# KiCad board we816.kicad_pcb (continued)
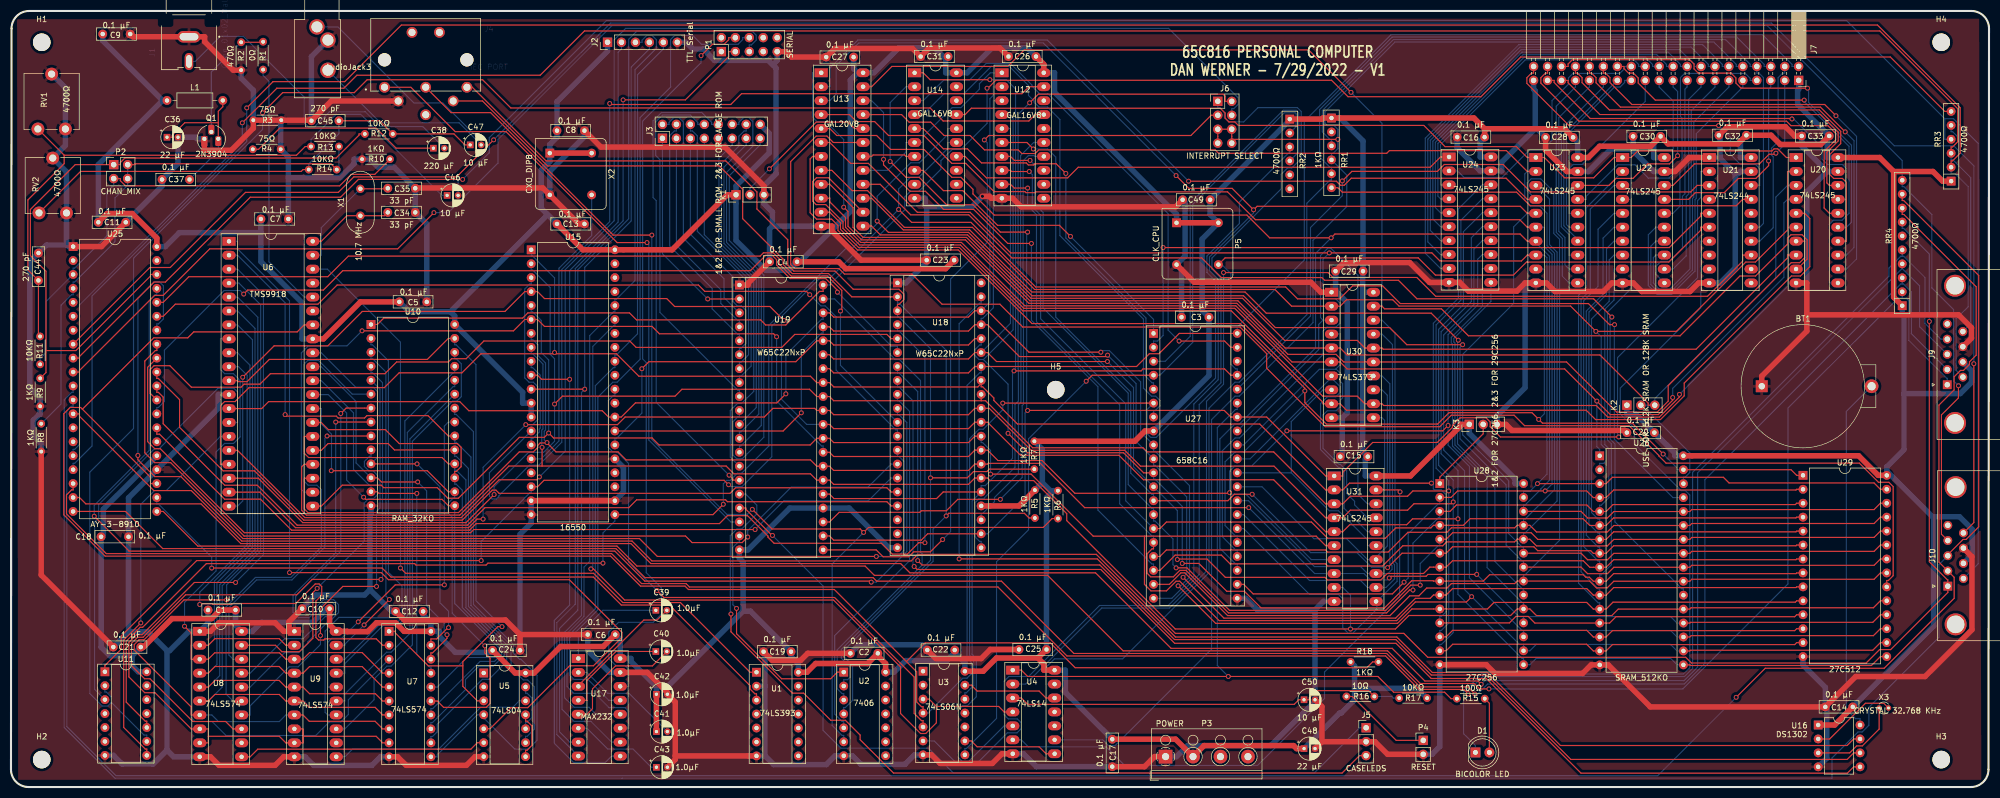
[diagram p0: board, top side]
## Routing (per net, layer and track width the routed paths; a pad name or vN(x,y) marks a point on that pad's centre or on a via; arc(x,y) is an arc through that point) (continued)
A23: length 233.8
  Component w0.203: U30.19 249.59,87.61 250.06,87.13 260.41,87.13 265.33,82.21 303.86,82.21 314.75,93.11 317.59,93.11 323.41,98.93 323.41,99.98 324.05,100.62 326.06,100.62 326.99,99.7 326.99,96.19 325.18,94.38 U20.9 ; v1(243.95,126.58) 236.22,134.31 184.48,134.31 181.46,131.3 160.37,131.3 156.68,127.6 U13.23
  Copper w0.203: U30.19 249.59,87.61 249.59,120.94 v1(243.95,126.58)
ABORT: length 69.2
  Copper w0.203: U27.3 210.12,77.57 214.68,82.12 214.68,106.37 231.62,123.31 233.96,123.31 234.43,122.84 234.43,115.71 RR2.4
AD0: length 93.5
  Copper w0.203: U31.18 246.95,51.6 245.22,53.33 245.22,93.24 240.26,98.2 239.75,98.2 238.4,96.85 238.4,85.53 238.85,85.07 ; 238.85,85.07 238.07,84.29 238.07,79.7 U27.33 ; 238.85,85.07 U30.3
AD1: length 67
  Copper w0.203: U27.32 224.4,62.33 238.18,76.11 241.14,76.11 241.21,76.19 ; 241.21,76.19 241.97,75.43 241.97,73.94 242.42,73.49 242.42,70.91 241.97,70.45 241.97,69.29 241.24,68.56 239.64,68.56 238.85,67.78 238.85,61.7 241.74,58.81 241.99,58.81 243.16,57.64 243.16,53.51 244.61,52.06 244.61,51.41 246.95,49.06 U31.17 ; 241.21,76.19 241.97,76.94 241.97,82.53 U30.4
AD2: length 59.9
  Copper w0.203: U27.31 225.57,59.79 240.29,74.51 240.41,74.51 ; U31.16 246.95,46.52 242.7,50.78 242.7,57.45 241.96,58.19 241.71,58.19 238.4,61.5 238.4,69.86 239.64,71.1 241.19,71.1 241.97,71.88 241.97,72.96 240.41,74.51 ; 240.41,74.51 U30.7
AD3: length 50.5
  Copper w0.203: U31.15 246.95,43.98 246.95,45.05 241.67,50.33 240,50.33 233.07,57.26 ; 233.07,57.26 233.07,57.25 U27.30 ; 233.07,57.26 233.07,66.59 238.85,72.37 U30.8
AD4: length 64.7
  Copper w0.203: 248.1,41.44 250.56,43.91 250.56,71.39 249.59,72.37 U30.13 ; 248.1,41.44 U31.14 ; 248.1,41.44 246.95,41.44 243.14,45.25 237.2,45.25 227.74,54.71 U27.29
AD5: length 71.6
  Copper w0.203: U30.14 249.59,74.91 251.02,73.48 251.02,40.7 251.42,40.31 251.42,39.64 250.67,38.9 U31.13 246.95,38.9 245.68,40.17 237.28,40.17 225.28,52.17 U27.28
AD6: length 81.9
  Copper w0.203: U27.27 224.4,49.63 236.4,37.63 245.68,37.63 246.95,36.36 U31.12 250.32,36.36 251.87,37.91 251.87,40.5 251.5,40.87 251.5,80.62 249.59,82.53 U30.17
AD7: length 95.3
  Copper w0.203: U27.26 224.4,47.09 236.4,35.09 241.67,35.09 242.45,34.31 242.45,29.01 243.48,27.98 244.22,27.98 248.68,32.44 248.68,33.82 ; 248.68,33.82 252.33,37.48 252.33,40.69 251.96,41.06 251.96,82.7 249.59,85.07 U30.18 ; 248.68,33.82 U31.11
B_A0: length 36.7
  Component w0.203: v1(321.3,115.48) 321.12,115.3 320.07,115.3 318.31,113.54 306.49,113.54 302.56,109.62 U22.18
  Copper w0.203: J7.3 322.91,117.09 v1(321.3,115.48)
B_A1: length 37.2
  Component w0.203: U22.17 305.41,107.08 306.62,108.3 311.89,108.3 314.48,110.89 317.65,110.89 319.98,113.22 v1(319.98,114.07)
  Copper w0.203: J7.5 320.37,127.54 319.98,127.15 v1(319.98,114.07)
B_A2: length 42
  Copper w0.203: U22.16 302.56,104.54 303.83,105.81 303.83,112.68 304.21,113.06 304.21,121.89 303.92,122.18 303.92,129.27 304.68,130.02 315.73,130.02 316.62,129.13 316.62,128.75 J7.7
B_A3: length 62
  Copper w0.203: U22.15 299.45,102 298.08,100.63 298.08,91.36 299.69,89.75 302.31,89.75 306.58,94.02 306.58,107.03 306.8,107.26 306.8,119.06 315.29,127.54 J7.9
B_A4: length 56.9
  Copper w0.203: J7.11 312.75,127.54 306.35,121.14 306.35,107.45 306.12,107.22 306.12,94.2 302.12,90.2 299.88,90.2 298.54,91.55 298.54,98.54 299.45,99.46 U22.14
B_A5: length 51.8
  Copper w0.203: J7.13 310.21,127.54 305.89,123.22 305.89,107.64 305.66,107.41 305.66,94.4 301.94,90.68 300.13,90.68 298.99,91.82 298.99,96.46 299.45,96.92 U22.13
B_A6: length 38
  Copper w0.203: U22.12 302.56,94.38 304.97,96.79 304.97,107.6 305.43,108.05 305.43,125.31 307.67,127.54 J7.15
B_A7: length 40.8
  Copper w0.203: U22.11 299.45,93.4 299.45,94.86 300.36,95.76 301.93,95.76 304.29,98.12 304.29,107.64 304.75,108.09 304.75,127.16 305.13,127.54 J7.17
B_A8: length 34.5
  Component w0.203: v1(303.41,115.02) 301.93,113.54 297.94,113.54 295.29,110.89 292.18,110.89 290.91,109.62 U23.18
  Copper w0.203: v1(303.41,115.02) 303.41,126.72 302.59,127.54 J7.19
B_A9: length 39.7
  Copper w0.203: U23.17 286.77,107.08 286.77,107.64 292.51,113.38 295.64,113.38 298.08,110.95 301.83,110.95 302.6,111.72 302.6,124.99 300.05,127.54 J7.21
B_A10: length 32.5
  Copper w0.203: J7.23 297.51,124.9 286.04,113.43 284.4,113.43 283.66,112.69 283.66,104.54 U23.16
B_A11: length 34.7
  Copper w0.203: J7.25 293.76,128.75 293.76,128.37 292.94,127.54 291.9,127.54 283.17,118.81 283.17,102.49 283.66,102 U23.15
B_A12: length 34.4
  Copper w0.203: U23.14 285.21,99.75 282.69,102.27 282.69,119.01 J7.27
B_A13: length 37.1
  Copper w0.203: J7.29 289.89,127.54 282.23,119.89 282.23,102.08 283.66,100.65 283.66,96.92 U23.13
B_A14: length 39
  Copper w0.203: J7.31 287.35,127.54 281.78,121.97 281.78,101.24 282.9,100.12 282.9,95.14 283.66,94.38 U23.12
B_A15: length 40.9
  Copper w0.203: J7.33 284.81,127.54 281.32,124.05 281.32,101.05 282.42,99.95 282.42,93.08 283.66,91.84 U23.11
B_A16: length 66.8
  Component w0.203: U20.18 331.04,109.62 330.58,110.08 330.58,115.66 332.64,117.72 332.64,119.28 329.39,122.53 289.26,122.53 283.48,128.31 283.48,128.75 J7.35
B_A17: length 69.7
  Component w0.203: v1(324.22,121.72) 324.14,121.81 287.5,121.81 280.94,128.37 280.94,128.75 J7.37
  Copper w0.203: v1(324.22,121.72) 324.54,121.72 329.7,116.56 329.7,114.42 330.69,113.43 333.39,113.43 334.15,112.67 334.15,107.08 U20.17
B_A18: length 78.6
  Component w0.203: U20.16 331.04,104.54 330.08,105.5 330.08,115.81 332.19,117.91 332.19,119.09 330.77,120.5 324.05,120.5 323.23,121.32 285.45,121.32 278.51,128.26 278.51,129.24 279.35,130.08 279.73,130.08 J7.38
B_A19: length 79.4
  Component w0.203: J7.36 283.48,131.29 283.48,131.75 284.26,132.53 305.6,132.53 306.4,131.73 306.4,130.84 307.16,130.08 313.13,130.08 314.02,129.2 314.02,128.27 314.95,127.33 v1(327.06,127.33)
  Copper w0.203: U20.15 334.15,102 335.07,102.91 335.07,116.93 327.25,124.74 327.25,127.14 v1(327.06,127.33)
B_A20: length 79.1
  Component w0.203: U20.14 334.15,99.46 334.15,110.16 333.42,110.89 331.82,110.89 331.04,111.67 331.04,115.18 333.1,117.24 333.1,119.47 329.2,123.37 290.99,123.37 286.02,128.34 286.02,129.26 285.19,130.08 284.81,130.08 J7.34
B_A21: length 78
  Component w0.203: v1(333.92,119.37) 329.41,123.88 293,123.88 288.56,128.33 288.56,129.26 287.73,130.08 287.35,130.08 J7.32
  Copper w0.203: U20.13 334.15,96.92 335.52,98.29 335.52,117.77 v1(333.92,119.37)
B_A22: length 79.1
  Component w0.203: v1(332.24,122.31) 330.18,124.36 295.09,124.36 291.1,128.35 291.1,129.26 290.27,130.08 289.89,130.08 J7.30
  Copper w0.203: U20.12 334.15,94.38 335.99,96.21 335.99,118.56 v1(332.24,122.31)
B_A23: length 78
  Component w0.203: v1(326.45,125.16) 299.34,125.16 296.24,128.26 296.24,129.19 295.34,130.08 294.46,130.08 293.64,130.91 293.64,131.29 J7.28
  Copper w0.203: v1(326.45,125.16) 326.45,124.9 334.61,116.74 334.61,104.52 333.36,103.27 331.76,103.27 331.04,102.54 331.04,91.84 U20.11
B_BUSRQ: length 78.2
  Component w0.203: U21.17 315.25,107.08 314.07,105.91 276.56,105.91 274.09,108.38 242.37,108.38 241.56,109.2 RR1.6
B_CLK_CPU: length 35.8
  Copper w0.203: U21.14 318.36,99.46 320.82,101.92 320.82,114.83 320.5,115.15 320.5,116.38 321.7,117.59 321.7,129.26 322.53,130.08 322.91,130.08 J7.4
B_D0: length 47.2
  Copper w0.203: J7.26 293.76,131.29 293.76,130.92 292.87,130.02 284.35,130.02 283.54,129.21 283.54,128.07 280.54,125.07 280.54,117.85 278.88,116.18 276.56,116.18 271.46,111.08 264.54,111.08 263.36,112.26 U24.2
B_D1: length 53.3
  Copper w0.203: U24.3 260.24,109.72 260.24,117.07 275.69,132.51 295.46,132.51 296.3,131.66 296.3,131.29 J7.24
B_D2: length 59.5
  Copper w0.203: J7.22 298.84,131.29 298.84,131.66 297.54,132.97 275.47,132.97 259.77,117.27 259.77,107.66 260.24,107.18 U24.4
B_D3: length 65.8
  Copper w0.203: J7.20 301.38,131.29 301.38,131.66 299.61,133.44 275.28,133.44 259.31,117.46 259.31,105.58 260.24,104.64 U24.5
B_D4: length 72
  Copper w0.203: U24.6 260.24,102.1 258.85,103.5 258.85,117.65 275.09,133.9 301.69,133.9 303.92,131.66 303.92,131.29 J7.18
B_D5: length 78.2
  Copper w0.203: U24.7 260.24,99.56 258.39,101.41 258.39,117.84 274.9,134.35 303.78,134.35 306.46,131.66 306.46,131.29 J7.16
B_D6: length 84.4
  Copper w0.203: J7.14 309,131.29 309,131.66 305.86,134.81 274.71,134.81 257.93,118.03 257.93,99.33 260.24,97.02 U24.8
B_D7: length 90.6
  Copper w0.203: U24.9 260.24,94.48 257.48,97.25 257.48,118.22 274.52,135.27 307.94,135.27 311.54,131.67 311.54,131.29 J7.12
B_INT: length 258.7
  Component w0.203: v1(241.56,118) 222.35,118 222.24,117.89 ; 222.24,117.89 J6.6 J6.5 J6.7 ; 222.24,117.89 J6.8
  Copper w0.203: U4.9 198.75,8.6 199.79,7.55 201,7.55 218.56,25.11 218.56,66.94 222.84,71.22 223.63,71.22 237.03,84.63 237.03,99.62 243.17,105.76 243.17,111.51 RR1.4 240.4,115.44 240.67,115.44 241.56,116.32 v1(241.56,118) 241.56,119.84 240.88,120.52 239.64,120.52 239.21,120.94 239.21,123.03 251.91,135.73 310.02,135.73 314.08,131.67 314.08,131.29 J7.10
B_NMI: length 226.7
  Copper w0.203: U4.13 188.43,18.76 188.43,21.83 189.96,23.36 202.38,23.36 218.1,39.07 218.1,69.02 222.84,73.76 223.61,73.76 235.9,86.05 235.9,106.36 240.13,110.58 240.4,110.58 RR1.5 240.4,112.9 240.13,112.9 238.24,114.79 238.24,123.44 251.44,136.64 314.19,136.64 319.16,131.67 319.16,131.29 J7.6
B_RW: length 59.1
  Component w0.203: v1(310.87,120.52) 283.66,120.52 275.97,128.21 275.97,129.24 276.81,130.08 277.19,130.08 J7.40
  Copper w0.203: U21.18 318.36,109.62 318.36,112.68 317.61,113.43 314.84,113.43 313.01,115.26 313.01,118.38 v1(310.87,120.52)
B_WAIT: length 125.8
  Copper w0.203: RR1.3 240.4,117.98 240.13,117.98 238.74,119.37 238.74,123.26 251.66,136.18 312.12,136.18 316.62,131.68 316.62,131.29 J7.8 317.83,130.08 318.2,130.08 319.04,129.25 319.04,102.68 318.36,102 U21.15
BUS: length 9.6
  Component w0.203: U14.7 162.94,114.9 162.68,115.16 156.94,115.16 156.68,114.9 U13.18
BUSAK: length 162
  Component w0.203: U20.1 323.22,114.7 321.63,116.29 320.97,116.29 320.57,115.89 296.13,115.89 294.94,114.7 U22.1 291.83,114.7 288.13,111 282.85,111 279.15,114.7 U23.1 276.04,114.7 274.06,116.68 261.07,116.68 257.21,120.54 223.45,120.54 222.8,121.19 221.71,121.19 221.03,121.87 221.03,122.81 220.16,123.68 174.84,123.68 173.68,122.52 U14.17
BUSRQ: length 116.5
  Component w0.203: U21.3 306.98,109.62 305.79,108.43 276.64,108.43 271.64,113.42 260.93,113.42 259.68,112.18 244.11,112.18 v1(242.37,110.43)
  Copper w0.203: U27.36 236.58,85.83 236.58,101.94 242.37,107.74 v1(242.37,110.43)
CLK_AUDIO: length 135.3
  Component w0.203: U1.1 134.56,20.91 121.86,33.61 111.38,33.61 106.05,38.94 71.86,38.94 v1(70.9,39.91)
  Copper w0.203: U6.38 57.59,94.36 70.9,81.05 v1(70.9,39.91)
CLK_CPU: length 348.3
  Component w0.203: v1(178.21,128.88) 167.32,128.88 166.06,130.14 U14.1 ; U19.25 149.01,53.37 149.82,52.56 168.51,52.56 169.71,53.76 U18.25 ; U21.6 307.63,102 307.63,101.46 301.81,95.65 275.89,95.65 273.52,93.28 259.32,93.28 256.19,96.41 221.03,96.41 P5.5 ; U27.37 222.08,75.03 220.93,76.19 206.09,76.19 205.73,75.82 v1(182.6,75.82)
  Copper w0.203: v1(178.21,128.88) 181.21,128.88 182.88,127.21 182.88,76.1 v1(182.6,75.82) 182.33,75.55 182.33,59.88 177.36,54.92 176.62,54.92 U18.25 174.97,52.11 174.97,24.2 175.74,23.43 175.74,16.44 174.09,14.79 173.26,14.79 172.44,13.97 172.44,5.42 173.2,4.65 174.32,4.65 180.8,11.14 U4.5 ; P5.5 220.43,95.19 222.08,93.53 222.08,77.05 222.95,76.19 223.24,76.19 U27.37
CLK_UART: length 53.7
  Copper w0.203: X2.5 105.71,100.48 99.76,94.52 99.76,63.05 96.49,59.79 U15.16
COLUMN0: length 38.5
  Component w0.203: U19.2 v1(126.84,88.93)
  Copper w0.203: v1(126.84,88.93) 118.6,97.17 J3.1
COLUMN1: length 43.9
  Copper w0.203: J3.2 119.81,120.74 119.81,121.11 120.67,121.97 121.61,121.97 122.41,121.18 122.41,100 129.81,92.59 129.81,89.19 U19.3
COLUMN2: length 39.3
  Copper w0.203: U19.4 132.61,85.01 132.32,85.01 129.22,88.11 129.22,90.61 121.14,98.69 J3.3
COLUMN3: length 45.6
  Copper w0.203: J3.4 121.14,119.53 120.77,119.53 119.92,118.69 119.92,98.58 127.66,90.85 127.66,87.13 132.32,82.47 132.61,82.47 U19.5
COLUMN4: length 44.7
  Copper w0.203: U19.6 132.61,79.93 132.9,79.93 133.77,80.79 133.77,86.88 132.99,87.66 132.24,87.66 131.45,88.44 131.45,92.94 123.68,100.72 J3.5
COLUMN5: length 50
  Copper w0.203: U19.7 132.61,77.39 132.9,77.39 134.27,78.76 134.27,91.92 124.95,101.25 124.95,118.64 124.05,119.53 123.68,119.53 J3.6
COLUMN6: length 49.1
  Copper w0.203: U19.8 132.61,74.85 132.9,74.85 134.74,76.69 134.74,92.1 126.22,100.62 J3.7
COLUMN7: length 66.8
  Copper w0.203: U19.9 132.61,72.31 132.32,72.31 118.14,86.48 118.14,114.29 117.37,115.07 117.37,121.22 118.6,122.45 123.68,122.45 125.01,121.11 125.01,120.74 J3.8
COMP_VID: length 46.1
  Copper w0.203: R1.2 45.9,129.66 46.96,128.61 46.96,95.7 53.37,89.28 U6.36
CS_RAM: length 202.8
  Component w0.203: U13.16 158.23,109.82 163.79,104.26 174.36,104.26 182.21,96.41 216.76,96.41 220.34,92.83 238.64,92.83 239.14,92.33 252.59,92.33 255.96,88.96 288.12,88.96 v1(291.44,85.64)
  Copper w0.203: v1(291.44,85.64) 291.12,85.32 291.12,63.4 291.99,62.53 291.99,48.31 304.2,36.11 304.46,36.11 304.46,34.95
CS_ROM: length 170.7
  Component w0.203: v1(263.48,81.41) 258.55,86.34 228.52,86.34 224.67,90.2 185.84,90.2 174.52,101.52 162.44,101.52 156.68,107.28 U13.15
  Copper w0.203: v1(263.48,81.41) 263.34,81.27 263.34,62.52 270.14,55.72 270.14,41.1 275.1,36.14 275.36,36.14 275.36,34.98
CS_UART: length 178.5
  Component w0.203: U12.19 185.32,127.6 184.05,126.33 133,126.33 131.04,124.36 109.17,124.36 v1(109,124.54)
  Copper w0.203: U15.14 87.1,57.27 87.1,52.98 87.59,52.49 88.38,52.49 88.78,52.89 88.78,53.02 94.39,58.63 96.07,58.63 100.27,62.83 100.27,94.3 109,103.02 v1(109,124.54)
CS_VDP: length 286.1
  Component w0.203: v1(45.79,122.85) 49.46,126.52 62.5,126.52 64.84,128.87 85.86,128.87 90.99,123.73 167.32,123.73 169.69,121.36 185.3,121.36 186.46,122.52 U12.17
  Copper w0.203: v1(45.79,122.85) 45.79,119.82 22.31,96.34 22.31,65.32 14.35,57.36 14.35,17.03 16.62,14.76 17.62,14.76 18.27,15.41 ; U11.2 17.1,17.3 17.37,17.3 18.27,16.4 18.27,15.41 ; 18.27,15.41 24.23,9.46 24.72,9.46 U11.9
CS_VIA1: length 74.8
  Copper w0.203: U18.23 176.62,49.84 176.88,49.84 179.05,52 179.05,52.75 183.4,57.1 183.4,69.68 183.86,70.14 183.86,84.3 183.8,84.36 183.8,115.06 186.18,117.44 U12.15
CS_VIA2: length 101.6
  Component w0.203: U19.23 149.01,48.29 150.77,50.05 165.44,50.05 165.73,50.34 170.29,50.34 172.37,52.42 v1(180.11,52.42)
  Copper w0.203: v1(180.11,52.42) 184.09,56.39 184.09,69.49 184.32,69.72 184.32,92.38 184.26,92.44 184.26,114.1 185.21,115.05 186.32,115.05 186.46,114.9 U12.14
CTS: length 151
  Copper w0.203: P1.6 133.2,136.54 133.2,136.16 132.36,135.32 125.7,135.32 124.08,136.94 120.82,136.94 120.09,136.21 120.09,127.54 114.53,121.98 114.53,77.95 110.34,73.76 109.56,73.76 106.84,71.03 106.84,32.29 101.69,27.15 101.69,20.4 102.48,19.61 105.02,19.61 108.83,15.8 U17.13
CTS_TTL: length 143.4
  Copper w0.203: U17.12 106.5,13.26 105.23,14.53 102.52,14.53 100.78,16.27 100.78,27.53 104.32,31.07 104.32,40.08 105.36,41.12 105.36,82.26 109.67,86.57 109.94,86.57 U15.36 109.94,88.89 110.21,88.89 113.6,92.28 113.6,130.69 117.49,134.58 117.49,136.17 116.72,136.94 115.75,136.94 114.89,136.08 114.89,135.7 J2.3
D0: length 425.4
  Component w0.203: 176.62,73.5 176.62,72.92 176.89,72.92 178.93,70.89 178.93,70.44 183.23,66.14 227.33,66.14 239.33,54.14 U31.2 242.45,54.14 243.67,55.37 v1(258.59,55.37) ; 176.62,73.5 U18.33 ; 176.62,73.5 176.01,72.9 149.8,72.9 149.01,73.69 U19.33 146.69,73.69 145.54,74.85 114.32,74.85 110.22,78.94 99.19,78.94 v1(98.96,79.17) 98.73,78.94 85.56,78.94 82.09,75.47 70.66,75.47 67.96,72.77 43.33,72.77 40.79,70.23 38.88,70.23 38.13,69.48 38.13,58.8 U6.17 ; U29.11 325.08,31.39 324.73,31.03 292.18,31.03 291.03,29.88 U26.13 277.42,29.88 276.22,31.08 273.96,31.08 272.78,29.91 U28.11
  Copper w0.203: U28.11 260.12,31.06 260.38,31.06 261.28,31.95 261.28,53.24 260.37,54.15 259.09,54.15 258.94,54.3 258.94,55.37 ; v1(98.96,79.17) 98.96,92.77 94.99,96.73 94.7,96.73 U15.1 ; 258.94,55.37 v1(258.59,55.37) ; 258.94,55.37 258.94,84.51 263.5,89.06 263.5,105.35 267.86,109.72 U24.18
D1: length 432.9
  Component w0.203: U29.12 325.08,28.85 324.73,28.49 291.54,28.49 290.38,27.34 288.07,27.34 286.85,28.55 262.46,28.55 261.27,27.36 260.12,27.36 ; U6.18 45.03,56.26 53.12,48.17 82.83,48.17 v1(87.95,53.29) ; v1(261.74,53.94) 255.21,53.94 254.25,52.98 243.83,52.98 242.45,51.6 U31.3 239.33,51.6 229.87,61.06 206.84,61.06 206.09,61.81 185.99,61.81 177.42,70.38 176.62,70.38 ; 176.62,70.38 U18.32 ; 176.62,70.38 149.77,70.38 149.01,71.15 U19.32 146.69,71.15 145.37,72.47 122.15,72.47 120.89,71.22 100.4,71.22 v1(98.96,69.78)
  Copper w0.203: 260.12,27.36 260.12,28.52 260.38,28.52 261.74,29.87 v1(261.74,53.94) 261.74,55.8 259.44,58.09 259.44,84.2 263.95,88.71 263.95,103.27 267.86,107.18 U24.17 ; U15.2 94.7,94.19 94.97,94.19 98.16,91.01 98.16,78.84 98.96,78.04 v1(98.96,69.78) 98.96,62.99 96.96,60.99 94.22,60.99 87.95,54.72 v1(87.95,53.29)
D2: length 435.7
  Component w0.203: v1(93.72,66.03) 110.41,66.03 111.79,67.41 137.13,67.41 138.71,68.99 146.31,68.99 146.69,68.61 U19.31 149.01,68.61 149.78,67.84 174.3,67.84 175.46,69 U18.31 178.09,69 185.74,61.36 202.74,61.36 205.63,58.46 229.93,58.46 239.33,49.06 U31.4 242.45,49.06 243.83,50.44 254.25,50.44 255.41,51.61 262.23,51.61 v1(262.56,51.94) ; U6.19 45.33,53.72 51.79,47.26 83.29,47.26 84.85,48.82 v1(85.95,48.82) ; U29.13 325.08,26.31 324.73,25.95 291.54,25.95 290.38,24.79 U26.15 288.07,24.79 286.85,26.02 262.46,26.02 261.27,24.82 260.12,24.82
  Copper w0.203: v1(85.95,48.82) 85.95,58.26 v1(93.72,66.03) 94.97,66.03 95.88,66.94 95.88,72.96 95.08,73.76 94.31,73.76 93.52,74.55 93.52,90.73 94.44,91.65 94.7,91.65 U15.3 ; U24.16 267.86,104.64 264.41,101.19 264.41,87.89 259.9,83.38 259.9,58.61 262.56,55.95 v1(262.56,51.94) 262.56,28.14 260.4,25.98 260.12,25.98 260.12,24.82
D3: length 440.9
  Component w0.203: v1(263.42,48.86) 255.15,48.86 254.07,47.79 243.72,47.79 242.45,46.52 U31.5 239.33,46.52 229.87,55.98 206.17,55.98 201.71,60.44 183.79,60.44 177.78,66.46 U18.30 175.46,66.46 174.31,65.3 149.77,65.3 149.01,66.07 U19.30 ; v1(42.19,74.66) 47.91,80.39 57.69,80.39 63.95,86.65 89.93,86.65 93.54,90.27 U15.4 95.86,90.27 97.13,89 119.38,89 120.83,87.55 138.17,87.55 v1(140.72,85) ; U29.15 340.32,23.77 338.69,22.14 305.74,22.14 305.62,22.25 304.46,22.25
  Copper w0.203: v1(42.19,74.66) 42.19,52.12 41.25,51.18 U6.20 ; U24.15 267.86,102.1 265.86,100.1 265.86,88.47 260.36,82.97 260.36,60.73 263.42,57.67 v1(263.42,48.86) 263.42,35.11 275.09,23.44 275.36,23.44 U28.15 276.51,22.28 277.67,23.44 302.12,23.44 303.31,22.25 304.46,22.25 ; U19.30 144.85,66.07 140.26,70.66 140.26,84.54 v1(140.72,85)
D4: length 459.6
  Component w0.203: U31.6 239.33,43.98 237.61,45.71 206.35,45.71 ; U29.16 340.32,26.31 338.94,24.93 305.75,24.93 305.62,24.79 304.46,24.79 ; 206.35,45.71 206.35,36.92 207.53,35.74 210.35,35.74 212.1,37.5 212.77,37.5 219.95,30.32 252.26,30.32 255.66,33.72 264.95,33.72 v1(265.92,34.68) ; 206.35,45.71 197.02,45.71 185.71,57.01 v1(178.33,57.01) ; U6.21 56.49,51.18 60.31,55 67.38,55 67.85,54.54 77.61,54.54 79.54,52.62 81.45,52.62 92.55,63.71 97.09,63.71 v1(97.88,64.5) 98.78,63.6 116.71,63.6 117.99,62.32 145.49,62.32 146.69,63.53 U19.29 149.01,63.53 149.78,62.76 174.3,62.76 175.46,63.92 U18.29
  Copper w0.203: U24.14 267.86,99.56 266.32,98.01 266.32,87.86 260.82,82.36 260.82,61.41 264.62,57.61 264.62,35.98 v1(265.92,34.68) 274.61,25.98 275.36,25.98 275.36,24.82 276.51,24.82 277.67,25.98 302.12,25.98 303.31,24.79 304.46,24.79 ; U18.29 176.62,62.76 176.89,62.76 178.33,61.32 v1(178.33,57.01) ; v1(97.88,64.5) 97.88,77.82 96.54,79.16 96.54,85 94.97,86.57 94.7,86.57 U15.5
D5: length 438.4
  Component w0.203: v1(139.38,82.04) 138.84,82.58 118.05,82.58 116.71,83.92 97.13,83.92 95.86,85.19 U15.6 93.54,85.19 91.48,83.12 v1(63.91,83.12) ; U29.17 340.32,28.85 339.05,27.58 305.87,27.58 305.62,27.34 304.46,27.34 ; v1(232.27,64.9) 260.64,64.9 v1(261.62,65.88) ; U19.28 149.01,60.99 149.78,60.22 174.3,60.22 175.46,61.38 U18.28 177.78,61.38 179.67,59.49 187.72,59.49 193.68,53.52 221.74,53.52 v1(221.85,53.63)
  Copper w0.203: v1(139.38,82.04) 139.38,70.33 147.56,62.15 147.85,62.15 U19.28 ; 275.36,27.36 275.36,28.52 ; 275.36,28.52 275.1,28.52 265.5,38.12 265.5,58.41 261.62,62.3 v1(261.62,65.88) 261.62,82.44 267,87.82 267,96.16 267.86,97.02 U24.13 ; 275.36,28.52 302.12,28.52 303.31,27.34 304.46,27.34 ; U6.22 53.37,53.72 52.86,54.24 52.86,79.1 54.15,80.39 61.18,80.39 v1(63.91,83.12) ; v1(232.27,64.9) 225.89,58.52 222.82,58.52 221.85,57.55 v1(221.85,53.63) 222.13,53.35 224.82,53.35 236.73,41.44 U31.7
D6: length 401.4
  Component w0.203: v1(266.84,38.74) 257.96,38.74 257.63,38.41 251.23,38.41 v1(250.91,38.09) ; v1(225.34,50.9) 195.46,50.9 187.39,58.98 177.92,58.98 177.78,58.84 U18.27 175.46,58.84 174.3,57.68 149.78,57.68 149.01,58.45 U19.27 146.69,58.45 145.54,59.61 111.98,59.61 110.52,61.06 99.22,61.06 97.58,62.7 ; U29.18 340.32,31.39 338.94,30.01 305.75,30.01 305.62,29.88 304.46,29.88 ; U6.23 53.37,56.26 53.37,50.69 54.06,50 81.47,50 92.53,61.06 95.09,61.06 95.89,61.85 95.89,62.23 96.35,62.7 97.58,62.7 ; v1(97.58,62.75) 97.58,62.7
  Copper w0.203: U15.7 94.7,81.49 95.01,81.49 95.92,80.58 95.92,78.64 97.31,77.25 97.31,65.06 97.08,64.83 97.08,63.26 v1(97.58,62.75) ; U24.12 267.86,94.48 267.86,87.58 262.21,81.92 262.21,80.91 262.42,80.69 262.42,62.14 266.84,57.73 v1(266.84,38.74) 274.52,31.06 275.36,31.06 ; v1(250.91,38.09) 250.56,37.73 247.47,37.73 246.31,38.9 U31.8 237.34,38.9 v1(225.34,50.9) ; 304.46,29.88 303.31,29.88 302.12,31.06 275.36,31.06 ; 275.36,31.06 U28.18
D7: length 420.1
  Component w0.203: U6.24 53.37,58.8 52.92,58.34 52.92,50.41 53.78,49.54 81.7,49.54 90.65,58.49 96.69,58.49 ; 96.69,58.49 v1(96.69,61.9) ; 96.69,58.49 130.19,58.49 131.61,57.07 145.54,57.07 146.69,55.91 U19.26 149.01,55.91 149.77,55.14 174.31,55.14 175.46,56.3 U18.26 177.78,56.3 178.23,55.84 186.17,55.84 192.2,49.81 192.2,48.55 211.95,28.8 v1(243.86,28.8) 252.03,28.8 254.49,31.25 273.01,31.25 274.2,32.44 276.51,32.44 277.71,31.25 291.43,31.25 292.6,32.41 305.62,32.41 305.87,32.66 339.05,32.66 340.32,33.93 U29.19
  Copper w0.203: v1(243.86,28.8) 243.86,34.95 242.45,36.36 U31.9 ; 275.36,32.44 275.36,33.6 275.1,33.6 268.73,39.97 268.73,56.48 262.88,62.33 262.88,80.88 262.66,81.1 262.66,81.73 269.42,88.49 U24.11 ; U15.8 94.7,78.95 94.96,78.95 96.85,77.06 96.85,65.25 96.62,65.02 96.62,61.96 v1(96.69,61.9)
DATA_DIR: length 92.9
  Component w0.203: U14.14 173.68,114.9 177.58,111 192.37,111 194.3,112.92 258.37,112.92 260.24,114.8 U24.1
EMU: length 135.3
  Component w0.203: R15.2 262.16,16.1 260.99,17.28 251.72,17.28 248.85,20.14 v1(221.61,20.14) 185.08,20.14 183.93,21.3 U4.1
  Copper w0.203: v1(221.61,20.14) 219.61,22.14 219.61,65.47 222.93,68.79 223.24,68.79 U27.35
INT: length 154.7
  Component w0.203: U27.4 196.83,75.03 v1(195.74,73.94)
  Copper w0.203: v1(195.74,73.94) 185.24,63.44 185.24,46.87 179.42,41.05 179.42,12.51 173.93,7.02 173.66,7.02 U3.8 ; RR2.2 233.96,120.32 233.96,122.66 233.76,122.86 231.81,122.86 215.13,106.18 215.13,81.01 209.16,75.03 U27.4
IO: length 34.9
  Copper w0.203: U13.17 159.58,112.36 162.94,115.72 162.94,117.44 U14.6 166.06,117.44 166.06,118.51 171.34,123.79 172.94,123.79 176.3,127.15 176.3,128.15 178.29,130.14 U12.1
KB_CAPS_LED: length 66.3
  Copper w0.203: J3.11 131.3,116.99 128.88,114.58 128.88,98.62 135.22,92.29 135.22,72.09 133,69.88 132.24,69.88 130.95,68.59 130.95,60.11 U19.14
KB_GRAPH_LED: length 86.3
  Component w0.203: U19.15 131.45,55.91 131.45,56.09 v1(130.73,56.82)
  Copper w0.203: v1(130.73,56.82) 117.46,70.08 117.46,106.84 116.89,107.41 116.89,121.38 118.41,122.91 125.76,122.91 127.55,121.11 127.55,120.74 J3.10
LED_1: length 157.7
  Component w0.203: J5.3 245.49,5.72 242.32,2.55 160.66,2.55 154.59,8.63 154.59,9.47 151.9,12.16 149.24,12.16 144.3,17.1 142.26,17.1 131.07,28.29 v1(131.07,31.53)
  Copper w0.203: U19.16 133.77,53.37 135.77,51.37 135.77,49.75 133.04,47.02 132.17,47.02 130.95,45.81 130.95,31.64 v1(131.07,31.53)
LED_2: length 153
  Component w0.203: U19.17 133.77,50.83 133.77,50.63 138.55,45.84 v1(138.62,45.84)
  Copper w0.203: J5.1 245.49,10.8 237.21,2.52 171.58,2.52 167.03,7.07 151.1,7.07 147.85,10.33 147.85,36.62 v1(138.62,45.84)
LED_ANODE: length 146
  Copper w0.203: U21.7 307.63,99.46 307.63,87.35 292.97,72.69 292.97,67.96 295.52,65.41 295.52,62.54 304.05,54 304.83,54 305.63,53.21 305.63,21.73 304.48,20.59 267.71,20.59 264.44,17.31 264.44,9.72 266.6,7.56 D1.1
ML: length 77.2
  Component w0.203: U14.5 166.06,119.98 169.75,116.28 174.12,116.28 176.69,113.72 184.83,113.72 185.21,113.34 186.14,113.34 186.36,113.56 190.27,113.56 v1(192.04,111.8)
  Copper w0.203: U27.5 208,73.65 207.73,73.65 206.62,74.75 206.62,85.45 192.04,100.04 v1(192.04,111.8)
N_EMU: length 201.1
  Component w0.203: U21.13 315.25,96.92 315.25,95.8 308.86,89.41 259.36,89.41 255.93,92.84 240.66,92.84 239.77,93.73 v1(220.74,93.73)
  Copper w0.203: U4.2 184.72,18.76 198.58,32.62 210.91,32.62 217.64,39.35 217.64,70.29 220.74,73.39 v1(220.74,93.73)